# Altium PCB simon pcb.PcbDoc
Units mil, origin at the board's own origin, x right, y up, seen from the top; angles counter-clockwise.
Board outline 3937.01 x 3937.01 mil, 2 copper layers (Top_Layer, Bottom Layer); 88 components, 69 nets, 300 pads, 18 vias.
Unrouted connection lines stored in the file: 114.
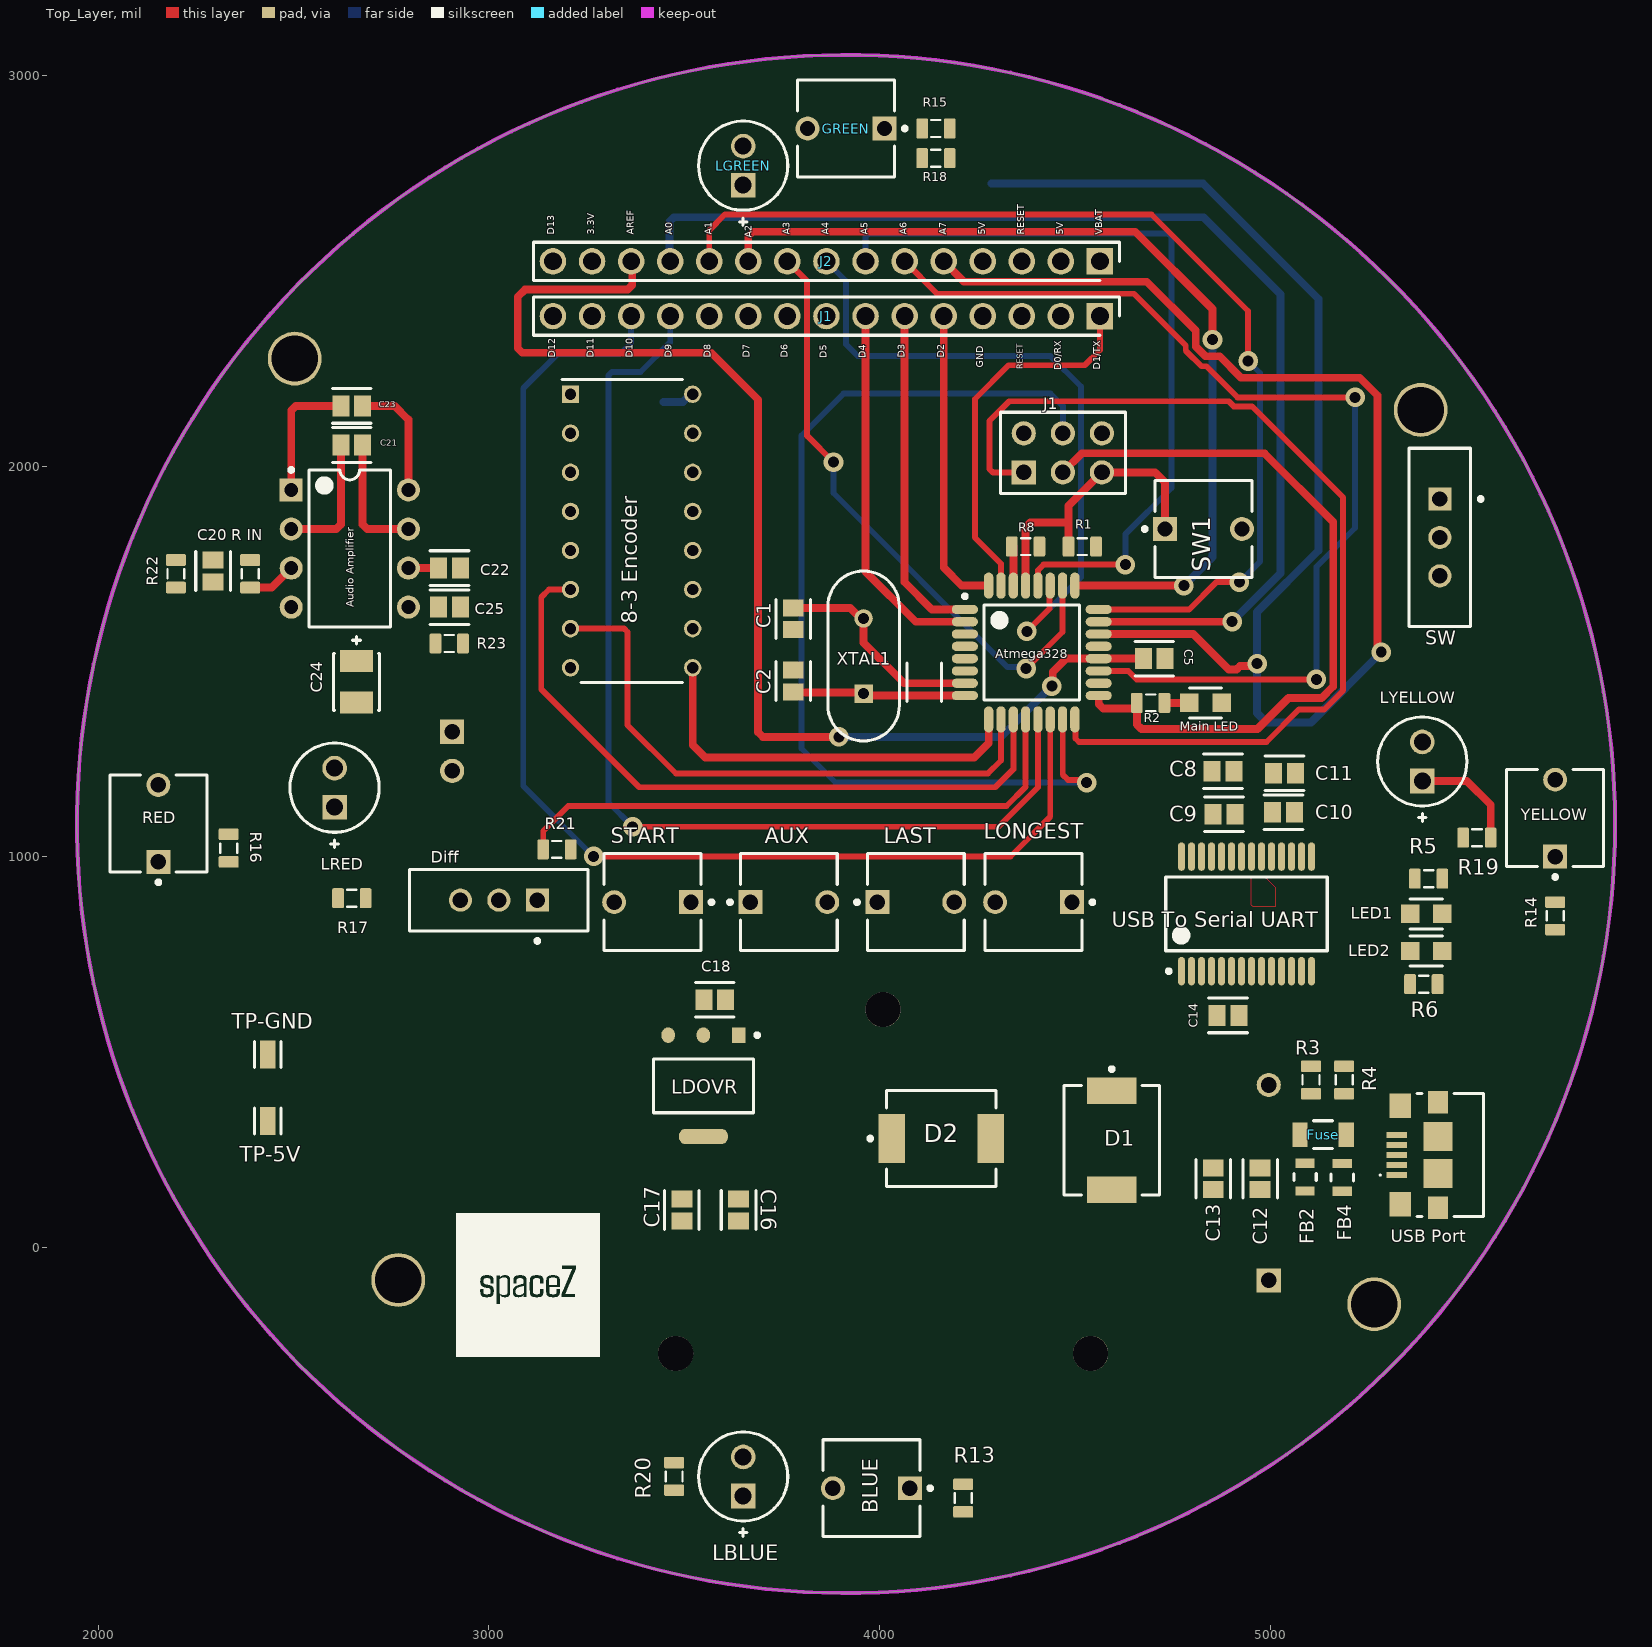
[diagram p0: Top_Layer view]
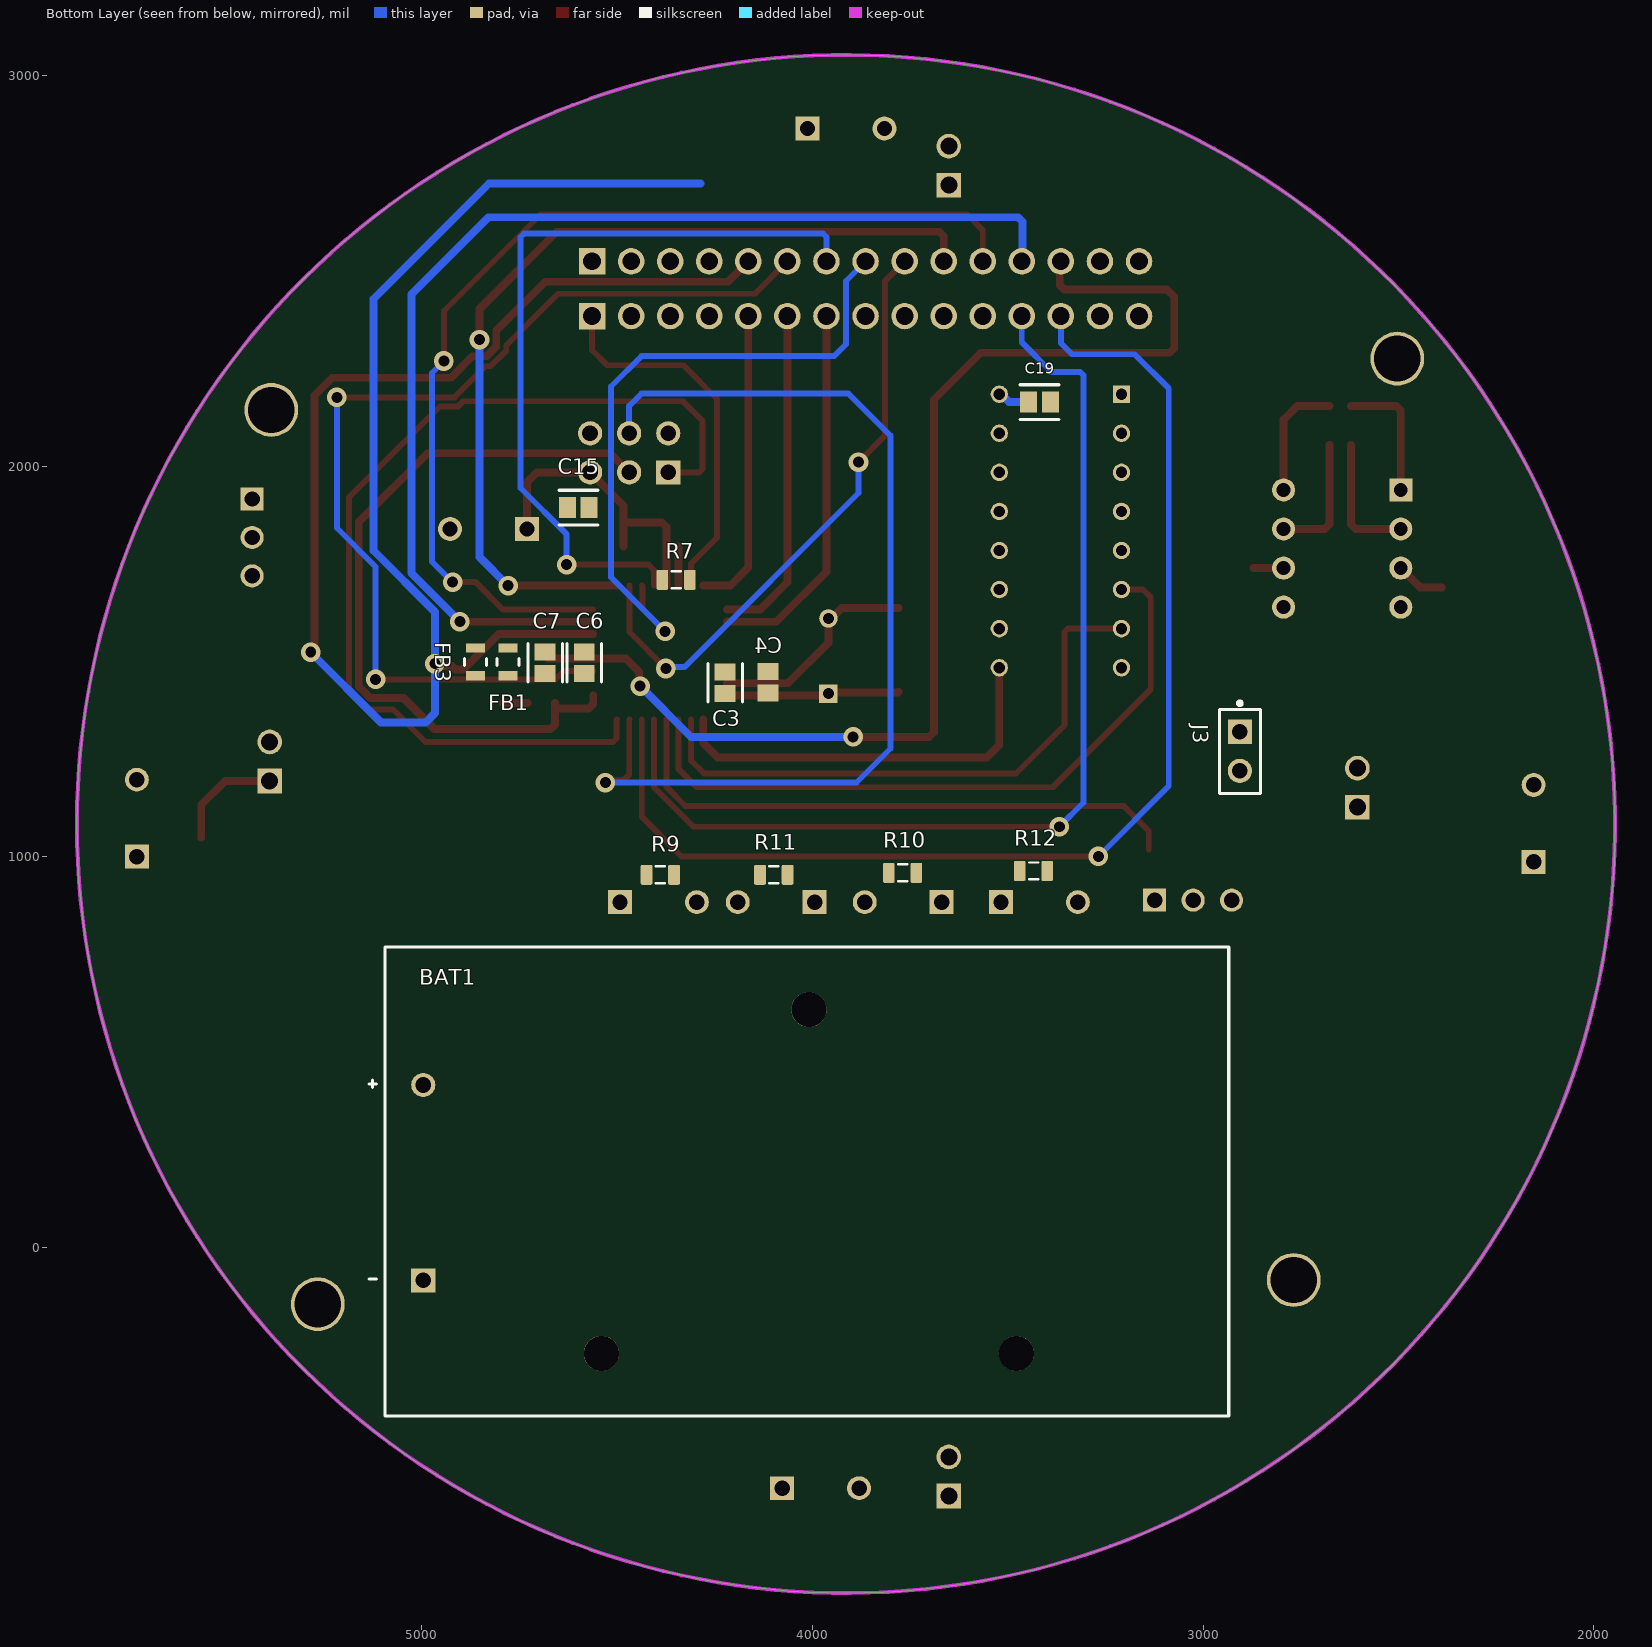
[diagram p1: Bottom Layer view, seen from below]

## Layer stack, top to bottom
Top Solder: solder mask 0.4, Solder Resist, Dk 3.5
Top_Layer: signal copper 1.4
Dielectric 1: dielectric 12.6, FR-4, Dk 4.8
Bottom Layer: signal copper 1.4
Bottom Solder: solder mask 0.4, Solder Resist, Dk 3.5

## Board outline
1945.5,1084 ccw(c3914,1084) 3914,-884.5 ccw(c3914,1084) 5882.5,1084 ccw(c3914,1084) 3914,3052.5 ccw(c3914,1084)

## Design rules (kind name [scope] priority, off if disabled: settings)
Clearance Clearance_1 [All] p1: gap=8 ignorepadtopadclearanceinfootprint=TRUE
Clearance Clearance_1 [InNet('No Net') And (OnMid) vs OnMid] p2: gap=10 ignorepadtopadclearanceinfootprint=FALSE sourcerule=38 cellrowname=All cellrowtype=0 cellcolname=All cellcoltype=0 innerlayers=TRUE
Clearance Clearance_2 [InNet('No Net') And ((ExistsOnLayer('Top_Layer') Or ExistsOnLayer('Bottom Layer'))) vs (ExistsOnLayer('Top_Layer') Or ExistsOnLayer('Bottom Layer'))] p3: gap=10 ignorepadtopadclearanceinfootprint=FALSE sourcerule=38 cellrowname=All cellrowtype=0 cellcolname=All cellcoltype=0 outerlayers=TRUE
Clearance [InNet('No Net')] p4: gap=10 ignorepadtopadclearanceinfootprint=FALSE ismatrix=TRUE
ComponentClearance [All] p1: gap=1.97 collisioncheckmode=3 verticalgap=1.97 showdistances=TRUE donotcheckwithout3dbody=TRUE checkcomponentboundary=TRUE
HoleSize [All] p1: absolutevalues=TRUE maxlimit=240 minlimit=10 maxpercent=80.000 minpercent=20.000
HoleToHoleClearance [All] p1: gap=5 allowstackedmicrovias=TRUE
MinimumSolderMaskSliver [All] p1: minsoldermaskwidth=8
PlaneClearance [All] p1: clearance=5
PolygonConnect [All] p1: connectstyle=Relief reliefconductorwidth=10 reliefentries=4 polygonreliefangle="90 Angle" airgapwidth=10
RoutingVias [All] p1: holewidth=28 width=50 viastyle="Through Hole" minholewidth=28 minwidth=50 maxholewidth=28 maxwidth=50
SilkToSilkClearance [All] p1: silktosilkclearance=3
SilkToSolderMaskClearance [IsPad] p1: minsilkscreentomaskgap=8 clearancetoexposedcopper=TRUE
SolderMaskExpansion [All] p1: expansion=4 istentingtop=FALSE
UnRoutedNet [All] p1: checkbadconnections=TRUE
UnpouredPolygon [All] p1: allowshelved=TRUE
Width MaxMinWidth_9 [All] p1: maxlimit=100 minlimit=10 preferedwidth=10
Width MaxMinWidth_1 [All] p2: maxlimit=100 minlimit=20 preferedwidth=20 minimp=50.000000 maximp=50.000000 favimp=50.000000
21 further rules are at their usual default settings.

## Components (designator, comment, footprint, x,y, rotation, side; value= is the part's Value field where it differs from the comment)
"8-3 Encoder" "SN74LS148N" DIP794W53P254L1930H508Q16N 3365.3,1834 r0 top locked
Atmega328 "ATMEGA328P-AU" ATML-32A_M 4389.5,1522.94 r0 top
"Audio Amplifier" "LM386N-4" TI-P8 2644,1789 r0 top
AUX "EVQ-21405R" FP-EVQ-21405R-MFG 3767.62,884 r0 top
BAT1 "BH9VPC" FP-BH9VPC-MFG 4014,169 r0 bottom
BLUE "EVQ-21405R" FP-EVQ-21405R-MFG 3979,-616 r180 top
C1 "22pF" FP-0805-L_2_01_0_2-W_1_25-IPC_C#1 3779,1609 r270 top
C2 "22pF" FP-0805-L_2_01_0_2-W_1_25-IPC_C#1 3779,1450.21 r90 top
C3 "22uF" FP-0805-L_2_01_0_2-W_1_25-IPC_C#1 4223.24,1445.49 r90 bottom
C4 "0.1uF" FP-0805-L_2_01_0_2-W_1_25-IPC_C#2 4114,1446.79 r90 top
C5 "0.1uF" FP-0805-L_2_01_0_2-W_1_25-IPC_C#1 4703,1507.19 r0 top
C6 "10uF" FP-0805-L_2_01_0_2-W_1_25-IPC_C#1 4584,1496.71 r90 bottom
C7 "0.1uF" FP-0805-L_2_01_0_2-W_1_25-IPC_C#1 4684,1496.71 r90 bottom
C8 "10uF" FP-0805-L_2_01_0_2-W_1_25-IPC_C#1 4881.21,1109 r180 top
C9 "0.1uF" FP-0805-L_2_01_0_2-W_1_25-IPC_C#1 4879,1219 r180 top
C10 "10uF" FP-0805-L_2_01_0_2-W_1_25-IPC_C#1 5034,1114 r180 top
C11 "0.1uF" FP-0805-L_2_01_0_2-W_1_25-IPC_C#1 5036.21,1214 r180 top
C12 "0.1uF" FP-0805-L_2_01_0_2-W_1_25-IPC_C#1 4974,176.21 r90 top
C13 "10uF" FP-0805-L_2_01_0_2-W_1_25-IPC_C#1 4854,176.21 r90 top
C14 "0.1uF" FP-0805-L_2_01_0_2-W_1_25-IPC_C#1 4891.79,594 r0 top
C15 "0.1uF" FP-0805-L_2_01_0_2-W_1_25-IPC_C#1 4599,1894 r180 bottom
C16 "22uF" FP-0805-L_2_01_0_2-W_1_25-IPC_C#1 3639,96.14 r270 top
C17 "10uF" FP-0805-L_2_01_0_2-W_1_25-IPC_C#1 3494,96.14 r270 top
C18 "0.1uF" FP-0805-L_2_01_0_2-W_1_25-IPC_C#1 3578,634 r0 top
C19 "10uF" FP-0805-L_2_01_0_2-W_1_25-IPC_C#1 3419,2164 r180 bottom
C20 "1uF" FP-0805-L_2_01_0_2-W_1_25-IPC_C#1 2294,1731.79 r270 top
C21 "10uF" FP-0805-L_2_01_0_2-W_1_25-IPC_C#1 2649,2054 r180 top
C22 "10uF" FP-0805-L_2_01_0_2-W_1_25-IPC_C#1 2899,1739 r0 top
C23 "10uF" FP-0805-L_2_01_0_2-W_1_25-IPC_C#1 2649,2154 r0 top
C24 "T491B106K020AT" FP-T491B106K020AT-MFG 2661,1448 r90 top
C25 "10uF" FP-0805-L_2_01_0_2-W_1_25-IPC_C#1 2899,1639 r0 top
D1 "SS34-E3/9AT" FP-SMC-MFG 4594,274.61 r270 top
D2 "SS34-E3/9AT" FP-SMC-MFG 4157.82,278.92 r0 top
Diff "EG1218" ESWI-EG1218_V 3025.57,889 r180 top
FB1 "600Ω" FP-BLM21-0_2-t0_85-e0_5-MFG 4779,1499 r270 bottom
FB2 "600Ω" FP-BLM21-0_2-t0_85-e0_5-MFG 5089,180 r90 top
FB3 "600Ω" FP-BLM21-0_2-t0_85-e0_5-MFG 4862.19,1499 r270 bottom
FB4 "600Ω" FP-BLM21-0_2-t0_85-e0_5-MFG 5184,179.5 r90 top
Fuse "MF-NSMF110-2" FP-MF-NSMF110-2-MFG 5134.94,289 r0 top value=0.06-0.2Ω
GREEN "EVQ-21405R" FP-EVQ-21405R-MFG 3914,2864 r180 top
J1 "22-28-4150" HDRV15W66P0X254_1X15_3810X249X838P 4564,2384 r180 top
J1 "M20-9980346" FP-M20-9980346-MFG 4469,2034 r0 top
J2 "22-28-4150" HDRV15W66P0X254_1X15_3810X249X838P 4564,2524 r180 top
J3 "TSW-102-07-L-S" FP-TSW-102-07-L-S-MFG 2906,1270 r270 bottom
LAST "EVQ-21405R" FP-EVQ-21405R-MFG 4092.62,884 r0 top
LBLUE "C503B-RAN-CY0B0AA2" CREE-C503B-RAN 3650.81,-586 r90 top
LDOVR "AMS1117-5" FP-AMS1117-IPC_C 3549,413.92 r270 top locked
LED1 "RED" FP-APHCM2012SYCK-F01-MFG 5399,854 r0 top
LED2 "Green" FP-APHCM2012SYCK-F01-MFG 5399,759 r180 top
LGREEN "C503B-RAN-CY0B0AA2" CREE-C503B-RAN 3650.81,2769 r90 top
LONGEST "EVQ-21405R" FP-EVQ-21405R-MFG 4394,884 r180 top
LRED "C503B-RAN-CY0B0AA2" CREE-C503B-RAN 2605,1177 r90 top
LYELLOW "C503B-RAN-CY0B0AA2" CREE-C503B-RAN 5389,1244 r90 top
"Main LED" "Green" FP-APHCM2012SYCK-F01-MFG 4834,1394 r180 top
R1 "10K" RESC0805(2012)_L#1 4519,1794 r0 top value=10k
R2 "1K" RESC0805(2012)_L#1 4693.57,1394 r180 top
R3 "27ohm" RESC0805(2012)_L#1 5104,428.96 r90 top
R4 "10K" RESC0805(2012)_L#1 5189,428.96 r90 top value=27ohm
R5 "330ohm" RESC0805(2012)_L#1 5405.3,944 r0 top value="330 ohm"
R6 "27ohm" RESC0805(2012)_L#1 5392.7,674 r180 top value="330 ohm"
R7 "1K" RESC0805(2012)_L#1 4349,1709 r0 bottom value=1k
R8 "10K" RESC0805(2012)_L#1 4374,1794 r0 top value=1k
R9 "10K ohm" RESC0805(2012)_L#1 4389.04,954 r180 bottom value=10K
R10 "10K ohm" RESC0805(2012)_L#1 3769,959 r180 bottom value=10K
R11 "10K ohm" RESC0805(2012)_L#1 4099,954 r0 bottom value=10K
R12 "10K ohm" RESC0805(2012)_L#1 3434,964 r180 bottom value=10K
R13 "10K ohm" RESC0805(2012)_L#1 4214,-641.04 r90 top value=10K
R14 "10K ohm" RESC0805(2012)_L#1 5729,848.96 r90 top value=10K
R15 "10K ohm" RESC0805(2012)_L#1 4144,2864 r180 top value=10K
R16 "10K ohm" RESC0805(2012)_L#1 2334,1022.19 r270 top value=10K
R17 "10K ohm" RESC0805(2012)_L#1 2649.04,894 r180 top value="200 ohm"
R18 "10K ohm" RESC0805(2012)_L#1 4144,2788 r180 top value="200 ohm"
R19 "10K ohm" RESC0805(2012)_L#1 5529,1049 r0 top value="200 ohm"
R20 "10K ohm" RESC0805(2012)_L#1 3474,-586 r270 top value="200 ohm"
R21 "10K ohm" RESC0805(2012)_L#1 3174,1019 r180 top value=10K
R22 "1K" RESC0805(2012)_L#1 2199,1724.14 r270 top value=1k
R23 "10" RESC0805(2012)_L#2 2898.25,1546 r180 top value="10 ohm"
"R IN" "10K" RESC0805(2012)_L#1 2389,1724.53 r90 top value=10k
RED "EVQ-21405R" FP-EVQ-21405R-MFG 2154,1085.57 r90 top
START "EVQ-21405R" FP-EVQ-21405R-MFG 3419,884 r180 top
SW "EG1218" ESWI-EG1218_V 5434,1817.43 r270 top
SW1 "EVQ-21405R" FP-EVQ-21405R-MFG 4829,1839 r0 top
TP-5V "S2761-46R" FP-S2761-46R-MFG 2434,324 r90 top
TP-GND "S2761-46R" FP-S2761-46R-MFG 2434,494 r90 top
"USB Port" "1981568-1" TECO-1981568-5_V 5323.68,236.76 r90 top
"USB To Serial UART" "FT232RL-REEL" FTDI-SSOP-28_M 4939,854 r90 top
XTAL1 "16 Mhz" JPY-49S-18PF 3959,1514 r90 top
YELLOW "EVQ-21405R" FP-EVQ-21405R-MFG 5729,1099 r90 top

## Footprints (in the part's own frame and the unit in brackets; to place one, negate y for a bottom-side part, rotate by r counter-clockwise, add the part's x,y. Pads: shape width x height; smd on the part's side, far side on the other; paste and mask are expansions set on the pad)
ATML-32A_M [mm] "TQFP, 32-Leads, Body 7x7mm, Pitch 0.8mm, IPC Low Density"
  oval 1.7x0.6 smd: 1(-4.35,2.8) 2(-4.35,2) 3(-4.35,1.2) 4(-4.35,0.4) 5(-4.35,-0.4) 6(-4.35,-1.2) 7(-4.35,-2) 8(-4.35,-2.8) 17(4.35,-2.8) 18(4.35,-2) 19(4.35,-1.2) 20(4.35,-0.4) 21(4.35,0.4) 22(4.35,1.2) 23(4.35,2) 24(4.35,2.8)
  oval 0.6x1.7 smd: 9(-2.8,-4.35) 10(-2,-4.35) 11(-1.2,-4.35) 12(-0.4,-4.35) 13(0.4,-4.35) 14(1.2,-4.35) 15(2,-4.35) 16(2.8,-4.35) 25(2.8,4.35) 26(2,4.35) 27(1.2,4.35) 28(0.4,4.35) 29(-0.4,4.35) 30(-1.2,4.35) 31(-2,4.35) 32(-2.8,4.35)
  silkscreen extent -4.47,-3.1 3.1,3.77, body extent -4.5,-4.5 4.5,4.5, height 1.2
CREE-C503B-RAN [mm] "THD, 2-Leads, Dia 5.8mm, Pitch 2.54mm"
  rect 1.6x1.6 hole 1.1: 1(-1.27,0)
  round 1.6 hole 1.1: 2(1.27,0)
  silkscreen extent -3.9,-2.9 2.9,2.9
DIP794W53P254L1930H508Q16N [mm]
  rect 1.13x1.13 / inner round 1.13 / far side rect 1.13x1.13 hole 0.73: 1(-3.97,8.89)
  round 1.13 hole 0.73: 2(-3.97,6.35) 3(-3.97,3.81) 4(-3.97,1.27) 5(-3.97,-1.27) 6(-3.97,-3.81) 7(-3.97,-6.35) 8(-3.97,-8.89) 9(3.97,-8.89) 10(3.97,-6.35) 11(3.97,-3.81) 12(3.97,-1.27) 13(3.97,1.27) 14(3.97,3.81) 15(3.97,6.35) 16(3.97,8.89)
  silkscreen extent -4.53,-9.84 3.3,9.84
ESWI-EG1218_V [mm] "THD, 3-Leads, Body 11.6x4mm, Pitch 2.5mm"
  rect 1.5x1.5 hole 1: 1(-2.5,0)
  round 1.5 hole 1: 2(0,0) 3(2.5,0)
  silkscreen extent -5.8,-2 5.8,2.77, body extent -5.8,-2 5.8,2, height 7.4
FP-0805-L_2_01_0_2-W_1_25-IPC_C#1 [mil]
  rect 43.49x53.39 smd paste+0 mask+0: 1(-27.79,0) 2(27.79,0)
  silkscreen extent -50,-44 50,44, body extent -53,-32 53,32, height 10
FP-0805-L_2_01_0_2-W_1_25-IPC_C#2 [mil]
  rect 43.49x53.39 smd far side paste+0 mask+0: 1(-27.79,0) 2(27.79,0)
  silkscreen extent -50,-44 50,44, body extent -53,-32 53,32, height 10
FP-AMS1117-IPC_C [mm]
  rect 1.004x0.872 smd paste+0 mask+0: 1(-3.295,2.29)
  rrect100% 1.004x0.872 smd paste+0 mask+0: 2(-3.295,0) 3(-3.295,-2.29)
  rrect87% 1.004x3.182 smd paste+0 mask+0: 4(3.295,0)
  silkscreen extent -3.42,-3.25 1.75,3.63, body extent -3.9,-3.35 3.9,3.35, height 0.25
FP-APHCM2012SYCK-F01-MFG [mm]
  rect 1.2x1.2 smd paste+0 mask+0: 1(-1.05,0) 2(1.05,0)
  silkscreen extent -1.05,-0.98 1.05,0.98, body extent -1.75,-0.77 1.75,0.77, height 0.25
FP-BH9VPC-MFG [mil]
  rect 61.65x61.65 hole 40 paste-99999 mask+0: 1(982,253)
  round 61.65 hole 40 paste-99999 mask+0: 2(982,-247)
  round 90.16 hole 90.16 unplated paste-99999 mask+0: ""(-536,440) ""(-5,-440) ""(526,440)
  silkscreen extent -1080,-600 1121,600, body extent -1070,-590 1070,590, height 812
FP-BLM21-0_2-t0_85-e0_5-MFG [mm]
  rect 0.6x1.25 smd paste+0 mask+0: 1(-0.9,0) 2(0.9,0)
  silkscreen extent -0.22,-0.73 0.22,0.73, body extent -1,-0.63 1,0.63, height 1.05
FP-EVQ-21405R-MFG [mm]
  rect 1.55x1.55 hole 1 paste-2539.97 mask+0: A(-2.5,0)
  round 1.55 hole 1 paste-2539.97 mask+0: B(2.5,0)
  silkscreen extent -3.95,-3.15 3.15,3.15, body extent -3.37,-3.25 3.37,3.25, height 0.25
FP-M20-9980346-MFG [mm]
  rect 1.57x1.57 hole 1.02 paste-2539.97 mask+0: 1(-2.54,-1.27)
  round 1.57 hole 1.02 paste-2539.97 mask+0: 2(-2.54,1.27) 3(0,-1.27) 4(0,1.27) 5(2.54,-1.27) 6(2.54,1.27)
  silkscreen extent -4.06,-2.64 4.06,2.64, body extent -4.16,-2.74 4.16,2.74, height 0.25
FP-MF-NSMF110-2-MFG [mm]
  rect 1x1.6 smd paste+0 mask+0: 1(-1.5,0) 2(1.5,0)
  silkscreen extent -0.63,-0.9 0.63,0.9, body extent -2.1,-1 2.1,1, height 0.25
FP-S2761-46R-MFG [mm]
  rect 1.8x1 smd paste+0 mask+0: 1(0,0)
  silkscreen extent -0.85,-0.87 0.85,0.87, body extent -1,-0.6 1,0.6, height 0.25
FP-SMC-MFG [mm]
  rect 1.72x3.2 smd paste+0 mask+0: 1(-3.205,0) 2(3.205,0)
  silkscreen extent -4.75,-3.11 3.56,3.11, body extent -4.17,-3.21 4.17,3.21, height 0.25
FP-T491B106K020AT-MFG [mm]
  rect 1.42x2.13 smd paste+0 mask+0: 1(-1.35,0) 2(1.35,0)
  silkscreen extent -1.85,-1.5 2.95,1.5, body extent -2.18,-1.62 2.18,1.62, height 0.25
FP-TSW-102-07-L-S-MFG [mm]
  rect 1.57x1.57 hole 1.02 paste-2539.97 mask+0: 1(-1.27,0)
  round 1.57 hole 1.02 paste-2539.97 mask+0: 2(1.27,0)
  silkscreen extent -3.25,-1.34 2.73,1.34, body extent -2.67,-1.27 2.54,1.27, height 8.71
FTDI-SSOP-28_M [mm] "SOP, 28-Leads, Body 10.5x5.6mm, Pitch 0.65mm, IPC Low Density"
  oval 1.85x0.45 smd: 1(-3.725,4.225) 2(-3.725,3.575) 3(-3.725,2.925) 4(-3.725,2.275) 5(-3.725,1.625) 6(-3.725,0.975) 7(-3.725,0.325) 8(-3.725,-0.325) 9(-3.725,-0.975) 10(-3.725,-1.625) 11(-3.725,-2.275) 12(-3.725,-2.925) 13(-3.725,-3.575) 14(-3.725,-4.225) 15(3.725,-4.225) 16(3.725,-3.575) 17(3.725,-2.925) 18(3.725,-2.275) 19(3.725,-1.625) 20(3.725,-0.975) 21(3.725,-0.325) 22(3.725,0.325) 23(3.725,0.975) 24(3.725,1.625) 25(3.725,2.275) 26(3.725,2.925) 27(3.725,3.575) 28(3.725,4.225)
  silkscreen extent -3.85,-5.25 2.4,5.25, body extent -3.9,-5.25 3.9,5.25, height 2
HDRV15W66P0X254_1X15_3810X249X838P [mm]
  rect 1.725x1.725 / inner round 1.725 / far side rect 1.725x1.725 hole 1.15: 1(0,0)
  round 1.725 hole 1.15: 2(2.54,0) 3(5.08,0) 4(7.62,0) 5(10.16,0) 6(12.7,0) 7(15.24,0) 8(17.78,0) 9(20.32,0) 10(22.86,0) 11(25.4,0) 12(27.94,0) 13(30.48,0) 14(33.02,0) 15(35.56,0)
  silkscreen extent -1.27,-1.25 36.83,1.25
JPY-49S-18PF [mm] "THD, 2-Leads, Body 11.05x4.65mm, Pitch 4.88mm"
  rect 1.2x1.2 hole 0.7: 1(-2.44,0)
  round 1.2 hole 0.7: 2(2.44,0)
  silkscreen extent -5.53,-2.33 5.53,2.33, body extent -5.52,-2.32 5.53,2.33, height 3.5
RESC0805(2012)_L#1 [mm] "Chip Resistor, Body 2.0x1.3mm, IPC High Density"
  rrect25% 0.76x1.3 smd: 1(-0.9,0) 2(0.89,0)
  silkscreen extent -0.3,-0.55 0.3,0.55, body extent -1,-0.62 1,0.63, height 0.6
RESC0805(2012)_L#2 [mm] "Chip Resistor, Body 2.0x1.3mm, IPC High Density"
  rrect25% 0.76x1.3 smd: 1(-0.9,0) a(0.89,0)
  silkscreen extent -0.3,-0.55 0.3,0.55, body extent -1,-0.62 1,0.63, height 0.6
TECO-1981568-5_V [mm] "SMD, 5-Leads, Body 8x5.9mm, Pitch 0.65mm"
  rect 0.4x1.35 smd: 1(-1.3,0) 2(-0.65,0) 3(0,0) 4(0.65,0) 5(1.3,0)
  rect 1.6x1.4 smd: 6(-3.2,-0.225) 7(3.2,-0.225)
  rect 1.45x1.3 smd: 8(-3.425,-2.675) 9(3.425,-2.675)
  rect 1.9x1.9 smd: 10(-1.2,-2.675) 11(1.2,-2.675)
  silkscreen extent -4,-5.63 4,1.12, body extent -4,-5.63 4,0.28, height 3
TI-P8 [mm] "DIP, 8-Leads, Body 10.15x6.6mm, Pitch 2.54mm"
  rect 1.5x1.5 hole 0.9: 1(-3.81,3.81)
  round 1.5 hole 0.9: 2(-3.81,1.27) 3(-3.81,-1.27) 4(-3.81,-3.81) 6(3.81,-1.27) 7(3.81,1.27) 8(3.81,3.81) ""(3.81,-3.81)
  silkscreen extent -3.93,-5.1 2.65,5.23, body extent -3.95,-5.07 3.95,5.07, height 5.08

## Part data
"8-3 Encoder": "8-Line to 3-Line Priority Encoder", Manufacturer_Name="Texas Instruments", Mouser Part Number=595-SN74LS148N, Arrow Part Number=SN74LS148N, Arrow Price/Stock=https://www.arrow.com/en/products/sn74ls148n/texas-instruments?region=nac, Datasheet Link=https://datasheet.datasheetarchive.com/originals/distributors/Datasheets-SFU2/DSASFU100029941.pdf, Geometry.Height=5.08mm, Manufacturer_Part_Number=SN74LS148N, Mouser Price/Stock=https://www.mouser.co.uk/ProductDetail/Texas-Instruments/SN74LS148N?qs=dQtLEVC3WoZem4LPSmNMPw%3D%3D
Atmega328: library part CMP-020-00003-3, "8-Bit Microcontroller with 32 KBytes In-System Programmable Flash, 23 I/Os, -40 to 85 degC, 32-Pin TQFP (32A), RoHS, Tray", Case/Package=TQFP, Clock Frequency=20MHz, Manufacturer=Atmel, Max Operating Temperature=85°C, Max Supply Voltage=5.5V, Min Operating Temperature=-40°C, Min Supply Voltage=1.8V, Package Description="32-Pin Thin Profile Plastic Quad Flat Package, Body 7 x 7 mm, Pitch 0.8 mm", Package Quantity=250, Package Reference=32A, ADC Channels=8, Datasheet URL=http://www.atmel.com/images/Atmel-8271-8-bit-AVR-Microcontroller-ATmega48A-48PA-88A-88PA-168A-168PA-328-328P_datasheet_Complete.pdf, Datasheet Version="Rev. 8271J, 11/2015", Density=32KB, Ethernet Channels=0, Frequency=20MHz, I/Os=23, Interface=USART, Manufacturer URL=http://www.atmel.com/, Max Clock Frequency=20MHz, Mounting Technology=SM, Packaging=Tray, Pins=32, PWM Channels=6, RAM Size=2KB, RoHS Compliant=True, USB Channels=0
"Audio Amplifier": library part CMP-0057-00050-3, "Low Voltage Audio Power Amplifier, 0 to 70 degC, 8-pin DIP (P8)", Manufacturer="Texas Instruments", Code_JEDEC=MS-001, ComponentLink1Description="Manufacturer URL", ComponentLink1URL=http://www.ti.com/, ComponentLink2Description=Datasheet, ComponentLink2URL=http://www.ti.com/general/docs/lit/getliterature.tsp?genericPartNumber=LM386&fileType=pdf, ComponentLink3Description="Package Specification", ComponentLink3URL=http://www.ti.com/litv/pdf/mpdi001b, DatasheetVersion=SNAS545A, Input Type=Analog, Max. Number of Speaker Outputs=1, Mounting Technology="Through Hole", PackageDescription="8-Pin Plastic In-Line, Body 9.59 x 6.35 mm, Pitch 2.54 mm", PackageReference=P8, PackageVersion="4040082/E, 04/2010", PartNumber=LM386N-4, SubFamily="Mid/High-Power Amplifier"